# KiCad board Scopefun_v2.kicad_pcb (continued)
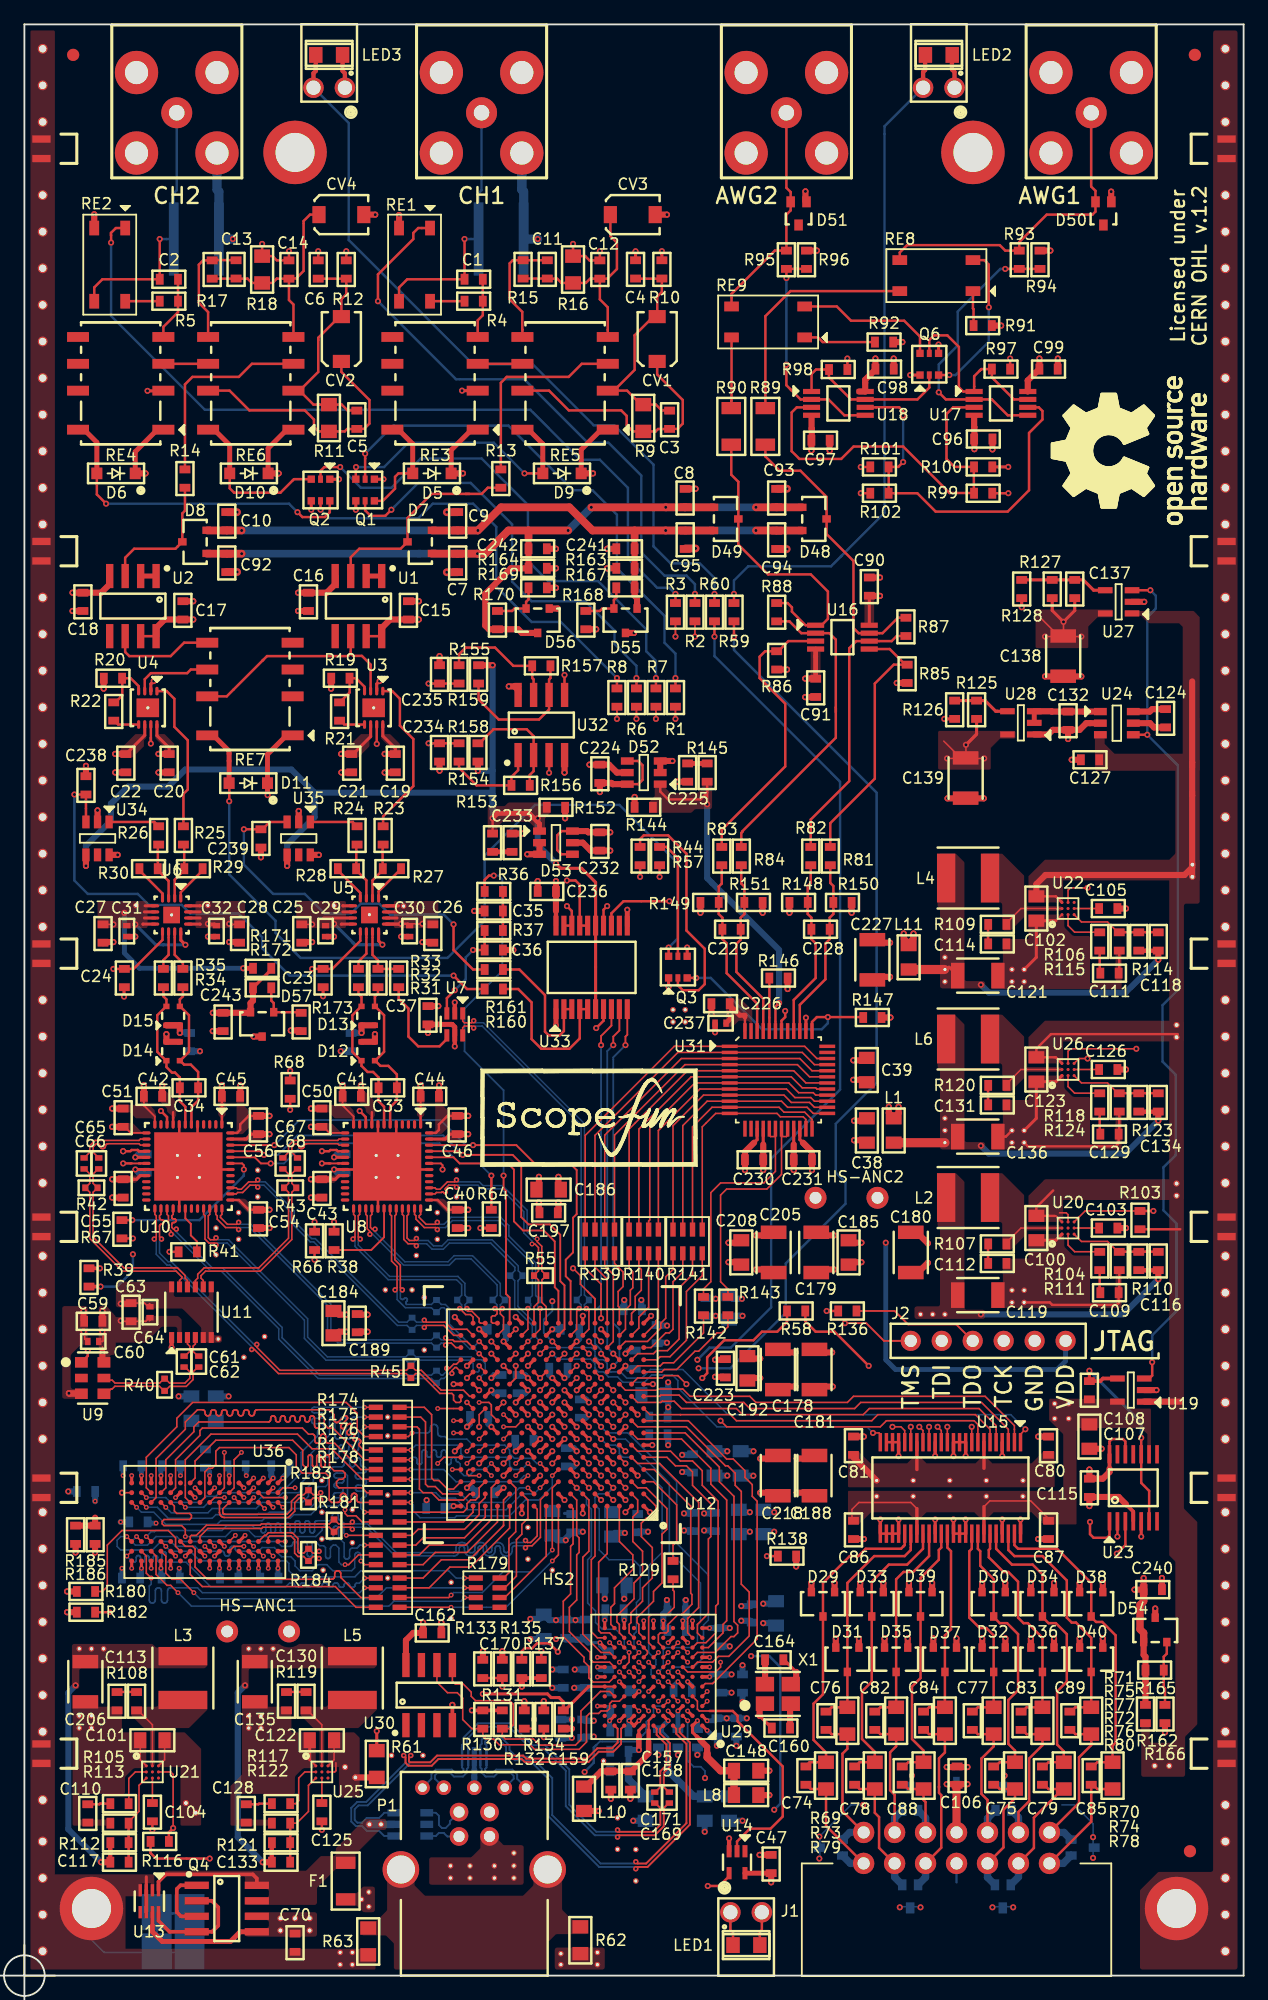
[diagram p0: board, top side]
## Nets (continued)
Net-(U30-Pad7): U30.7
Net-(U31-Pad13): U31.13
Net-(U31-Pad14): U31.14
Net-(U31-Pad35): U31.35
Net-(U31-Pad36): U31.36
Net-(U31-Pad41): U31.41
Net-(U33-Pad12): U33.12
Net-(U34-Pad5): U34.5
Net-(U35-Pad5): U35.5
Net-(U36-PadJ1): U36.J1
Net-(U36-PadJ9): U36.J9
Net-(U36-PadL1): U36.L1
Net-(U36-PadL9): U36.L9
Net-(U36-PadM7): U36.M7

Pads without a net: FID1 1; FID2 1; FID3 1; HS-ANC1 1; HS-ANC2 1; U1 5; U2 5

## Via types
v1: diameter 0.5, hole 0.25, Top to Bottom, 737 vias
v2: diameter 0.4, hole 0.2, Top to Bottom, 207 vias
v3: diameter 0.45, hole 0.2, Top to Bottom, 62 vias

## Routing (per net, layer and track width the routed paths; a pad name or vN(x,y) marks a point on that pad's centre or on a via; arc(x,y) is an arc through that point)
1.8V_REF: length 89.9
  Top w0.2: R153.1 v1(38.4,94.9)
  Top w0.25: U33.6 U33.15 46.85,89.65 45.7,90.8 44,90.8 v1(43.6,91.2)
  Top w0.4: D53.1 42.25,94.45 41.4,95.3 38.8,95.3 v1(38.4,94.9)
  Top w0.5: 5.05,92.15 v1(5.05,91) ; v1(38.4,107.45) R155.2 ; v1(37.2,98.8) R154.2 ; v1(21.55,91) U35.4
  Bottom w0.5: v1(5.05,91) 5.05,92.65 7.1,94.7 7.1,96.1 8.5,97.5 11.8,97.5 13.2,98.9 21.9,98.9 23.8,97 ; v1(42.1,94.9) 42.1,92.7 v1(43.6,91.2) ; 38.4,95.7 38.4,96.9 38.3,97 23.8,97 ; 38.4,95.7 v1(38.4,94.9) ; 38.4,95.7 38.4,98.8 ; 23.8,97 23.8,95 21.55,92.75 v1(21.55,91) ; 38.4,98.8 v1(37.2,98.8) ; 38.4,98.8 v1(38.4,107.45)
1.25V_REF: length 28
  Top w0.2: D52.1 52.15,97.1 52.8,96.45 55.45,96.45 56,97 ; 56,97 v1(56,96.05) ; 56,97 R145.1 ; v1(61.9,79.75) 61.6,79.45 U31.43
  Bottom w0.5: v1(61.9,79.75) 61.9,84.1 56,90 v1(56,96.05)
+1.48V: length 14
  Top w0.127: D15.1 11.65,78.05 ; D15.2 12.75,78.05 ; D13.1 27.65,78.05 ; D13.2 28.75,78.05
  Top w0.25: 20.25,82.5 R172.1
  Top w0.5: D15.2 v1(12.75,77.3) ; D15.2 D15.1 D15.2 ; D13.2 D13.1 v1(27.65,77.3) ; R172.1 18.75,79.95 18.55,79.75 D57.2 18.5,78.95 C243.1 ; v1(15.46,78.95) 16.15,78.95 ; R171.1 20.25,82.5
  Bottom w0.5: 26.8,77.35 26.85,77.3 v1(27.65,77.3) ; v1(12.75,77.3) 12.8,77.35 13.55,77.35
+1V0: length 37.9
  Top w0.25: U12.G6 v1(46.3,44) ; U12.J6 v1(46.3,46) ; U12.F7 v1(45.3,43) ; U12.K9 v1(43.3,48) ; U12.L8 v1(43.3,49) ; U12.F11 v1(40.3,43) ; U12.E10 v1(41.3,43) ; U12.H9 v1(43.3,46) ; U12.F9 v1(42.3,43)
  Top w0.35: 93,57.84 91.4,57.84
  Top w0.5: 93,57.84 v1(93,57.1) ; v1(60.35,42.4) 61.4,42.4 ; 61.55,42.4 C218.1 ; v1(66.3,48.3) 65.25,48.3 65,48.05 ; 61.95,48.05 62.2,48.3 v1(63.25,48.3) ; v1(60.35,49) 59.65,49 ; v1(63.35,42.4) 64.4,42.4 64.65,42.65 ; 59.5,49 C192.1 ; v1(56.65,49.1) 57.3,49.1 57.35,49.05
  Bottom w0.5: v1(59.8,43) C200.1 ; v1(45.3,43) 45.04,43.26 44.6,43.26 ; C213.1 46.05,45.75 v1(46.3,46) ; 40.25,43.8 40.3,43.75 v1(40.3,43) ; v1(53.95,42.7) 54.75,42.7 C204.1 ; C207.1 43.05,49.25 v1(43.3,49) ; v1(93,57.1) 90.12,54.22 v1(78.45,54.22) ; 56.75,43 v1(57.65,43)
+1V2: length 41
  Top w0.25: U29.E9 v2(48.8,24.1) ; U29.J11 v2(47.2,27.3) ; U29.F11 47.02,24.5 v2(47,24.48) ; U29.B10 v2(48,20.9) ; 56.1,26.1 U29.H1 v2(56.2,26.1) ; U29.L5 v2(52.4,29.1) ; U29.C3 v2(53.6,21.7) ; U29.L7 v2(50.8,29.1)
  Top w0.35: 20.29,9.3 20.29,10.9
  Top w0.5: 20.29,9.3 v1(19.55,9.3) ; L8.1 v1(61.1,14.8)
  Bottom w0.127: 43.65,27.7 43.6,27.65 ; v1(43.6,27.6) 43.7,27.7 C142.1 44.35,27.75
  Bottom w0.25: C153.1 47.62,26.6 47.2,27.02 v2(47.2,27.3) 46.4,27.3 C144.1 ; v2(48,20.9) 48,21.85 47.95,21.9
  Bottom w0.4: 48,21.7 v2(48,20.9) 48,19.95 ; v2(53.6,21.7) 53.6,20.22
  Bottom w0.45: 52.65,30 C154.1
  Bottom w0.5: 42.6,27.45 42.45,27.6 v1(41.5,27.6) ; 46.25,27.3 46,27.55 44.4,27.55 ; 52.65,28.3 52.4,28.55 v2(52.4,29.1) 52.4,29.65 52.65,29.9 ; L9.1 v1(58.9,12.7) ; v1(18.1,23.8) 17.5,23.2 17.5,11.35 v1(19.55,9.3) ; v1(52.7,30.8) 52.7,30 ; 50.99,12.7 v1(49.94,12.7) ; 42.3,27.6 42.6,27.3 ; v1(57.85,27) C145.1
+1V5: length 41
  Top w0.25: U36.B2 v2(20.4,40) ; U36.G7 v2(16.4,35.2) ; U36.H2 v2(15.6,40) ; v2(15.2,33.4) U36.H9 ; U36.F1 v2(16.8,41) ; U36.C1 v2(19.6,40.8) ; v2(18.4,33.4) U36.D9 ; U36.N9 v2(11.2,33.4) ; U36.C9 v2(19.2,33.4) ; U36.K2 v2(14,39.2) ; U36.R9 v2(9.6,33.4) ; U36.R1 v2(9.6,41) ; U36.D2 v2(18.8,40) ; U12.D7 v1(45.3,41) ; U36.K8 v2(13.2,34.4) ; v2(17.6,33.4) U36.E9 ; U36.A1 v2(21.2,40.8) ; U12.J2 v1(50.3,46) ; U12.B3 v1(49.3,39) ; U36.A8 v2(21.4,34.8) ; U12.E4 v1(48.3,42) ; U12.F1 v1(51.5,43.5) ; v1(45.8,37.9) U12.A6 ; U36.N1 v2(11.2,41)
  Top w0.35: 7.04,9.3 7.04,10.9
  Top w0.5: 7.04,9.3 v1(6.3,9.3) ; 5.8,35.3 v1(5.8,34.7)
  Bottom w0.25: 45.1,37.86 45.06,37.9 44.3,37.9
  Bottom w0.4: v2(11.2,33.4) 11.2,32.75 11.25,32.7 ; v2(11.2,41) 11.2,41.7 C248.1 ; C247.1 16.8,41.65 v2(16.8,41) ; v2(9.6,41) C249.1 ; 19.35,32.7 19.2,32.85 v2(19.2,33.4) ; v2(9.6,33.4) 9.6,32.8 9.5,32.7 ; v2(17.6,33.4) 17.6,32.65
  Bottom w0.5: C246.1 21.75,41.35 v2(21.2,40.8) ; v1(4.2,23.8) 3.6,23.2 3.6,12 v1(6.3,9.3)
+1V8: length 140.9
  Top w0.127: U29.H4 v2(53.6,26.5)
  Top w0.15: U12.M11 v1(41.3,49) ; U12.M10 v1(42.3,49) U12.M9
  Top w0.2: U10.37 17.6,63.6 18.4,62.8 C54.1 ; 9,65.3 C55.1 ; 37.72,25.9 R133.1 ; C40.1 34.7,62.8 33.9,63.6 U8.37 ; R66.2 v1(23.8,61.8) ; v1(8.9,60.45) R67.2
  Top w0.25: U10.20 9.5,65.6 9.2,65.3 8.74,65.3 ; U12.L10 v1(41.3,49) ; U8.20 25.8,65.6 25.5,65.3 25.04,65.3 ; U12.K11 v1(40.3,47) ; U12.M13 v1(38.3,49) ; U12.B13 v1(39.3,40) ; U12.H15 v1(36.3,45) ; U12.N10 v1(41.3,50) ; v2(47,26.11) 47,26.1 U29.H11 ; U29.C11 v2(47,22.1) ; U29.E3 v2(53.6,24.1) ; U29.B1 v2(56,20.9) ; U12.G10 v1(41.3,45) ; U12.L16 v1(35.2,48.5) ; U12.P7 v1(45.3,52) ; U12.L6 v1(45.3,48) ; U12.A16 v1(35.2,38.5) ; v2(56.2,24.5) U29.F1 56.1,24.5 ; U12.C10 v1(42.3,41) ; U29.L9 v2(49.2,29.15) ; U12.J12 v1(40.3,46) ; U12.R14 v1(37.3,53) ; U12.J10 v1(42.3,46) ; U12.E14 v1(37.3,42) ; R64.1 v1(37.4,61.3) ; U12.T11 v1(40.3,54) ; U12.G8 v1(43.3,45)
  Top w0.28: U15.18 73.2,41.5 ; U15.7 78.7,41.6
  Top w0.3: 5.35,56.5 v1(6.25,56.5) ; R137.1 R135.1 ; R131.1 R130.1 v1(36.7,21.75)
  Top w0.35: 91.4,70.84 93,70.84
  Top w0.5: v1(66.4,60.7) 65.35,60.7 65.1,60.95 ; v1(68.65,60.1) 67.95,60.1 67.75,60.3 ; v1(7.2,65.3) C55.1 8.74,65.3 ; C40.1 v1(36.4,62.8) ; VIA#99.1 68,42.5 C81.1 ; 25.04,65.3 C43.1 v1(23.5,65.3) ; 73.25,60.9 v1(74.1,60.05) ; v1(40.8,23.7) R135.1 ; 93,70.84 v1(93,70.1) ; v1(47.1,13.5) L10.1 ; v1(43.8,65.5) 43.8,64.8 ; v1(26.4,54.2) 25.8,54.2 25.5,54.5 ; C54.1 v1(20.1,62.8) ; 37.61,25.9 37.61,26.59 ; 32.7,28.35 v1(32.7,28.95) ; L1.1 71.45,68.3 ; 43.8,64.65 C186.1 ; U30.8 31.3,27.5 31.9,28.1 C162.1 ; v1(28.15,54.2) 27.5,54.2 27.45,54.25 ; v1(63.3,33.55) R138.1 ; v1(43.8,63.4) 43.8,62.7 ; C180.1 73.15,60.95
  Top w0.75: L1.1 VIA#110.1
  Bottom w0.2: v1(6.25,56.5) 7.6,56.5 8.9,57.8 v1(8.9,59.15)
  Bottom w0.25: 57,24.5 C167.1
  Bottom w0.4: v1(70.65,60.1) 70.65,50.5 71.45,49.7 84.7,49.7 85.4,50.4 J2.6 ; v2(53.6,24.1) 53.25,23.75 C172.1 ; v2(56,20.9) 56.6,20.9 C174.1
  Bottom w0.45: v2(56.2,24.5) 56.4,24.7 C167.1
  Bottom w0.5: C199.1 45.5,52.2 v1(45.3,52) ; v2(49.2,29.15) 49.2,29.95 C161.1 ; v1(41.3,49) 41.05,49.25 C202.1 ; C182.1 49.2,31.8 v1(49.2,30.9) ; v1(43.3,25.1) C163.1 ; C168.1 59.55,29.1 v1(58.8,29.1) ; 45.9,21 46,20.9 v1(46.7,20.9) ; 38.6,39.6 39,40 v1(39.3,40) ; v1(78.45,68.05) 79.1,67.4 90.3,67.4 v1(93,70.1) ; v1(35.2,38.5) 34.8,38.5 34.6,38.3 ; v1(59.25,21.1) C173.1 v1(57.6,21.1) C174.1 ; v1(59.5,38) 58.8,38 ; C175.1 v1(44.9,21) ; v1(36.3,45) 36.55,45.25 36.55,45.7 ; 56.45,37.95 56.4,37.9 v1(55.75,37.9) ; C167.1 v1(58,24.7) ; C191.1 38.55,49.25 v1(38.3,49) ; C183.1 60.8,38 v1(61.5,38) ; v1(37.3,53) 37.75,53 37.85,52.9 ; v1(58.9,25.45) C166.1 ; 49.2,29.85 49.15,29.9 ; 54.8,37.9 v1(54.1,37.9) ; C177.1 61.45,28.9 v1(60.6,28.9) ; C165.1 v1(45.14,25.1)
  vias: v1(37.6,26.6)
+1V8_VA: length 31.3
  Top w0.15: C51.1 8.23,69.6 8.73,69.1 U10.13 ; 32.5,70.8 C44.1 ; U8.13 25.03,69.1 24.53,69.6 C50.1
  Top w0.2: 12.2,70.8 U10.9 ; 28.5,70.8 U8.9 ; U10.1 C45.1 ; U8.1 32.5,70.8
  Top w0.25: C56.1 18.61,69 18.21,68.6 U10.47 ; U10.17 v1(9.1,67.1) ; U8.17 v1(25.4,67.1) ; U8.47 34.51,68.6 34.91,69 C46.1
  Top w0.5: v1(68.05,70.1) 68.75,70.1 ; 69.05,70.1 69.25,70.3 ; C45.1 v1(16.2,73) ; C56.1 v1(20.1,69) ; v1(11.3,73) C42.1 11.3,71.97 ; C51.1 v1(7.2,69.6) ; C39.1 68.89,73.45 v1(67.99,73.45) ; v1(71.7,71.25) 71.7,70.75 71.3,70.35 70.9,70.75 v1(70.9,71.25) ; C46.1 v1(36.4,69) ; 27.6,71.97 C41.1 v1(27.6,73) ; C44.1 v1(32.5,73) ; C50.1 v1(23.5,69.6)
  Bottom w0.5: v1(9.1,67.1) 9.35,67.35 C57.1 ; C49.1 25.65,67.35 v1(25.4,67.1)
+2.88V: length 64.5
  Top w0.127: 61.7,118.5 61.65,118.55
  Top w0.5: 50.05,117.89 C241.1 R163.1 R167.1 50.05,113.16 50.25,112.96 D55.1
  Top w0.635: v1(17.82,118.5) 16.62,118.5 ; v1(37.2,118.5) 39.1,120.4 44.7,120.4 46.6,118.5 50.05,118.5 ; 33.46,118.5 37.16,118.5 ; 16.6,118.5 15.01,118.5 ; 50.05,118.5 v1(52.6,118.5) 56.5,118.5 ; 50.05,118.5 50.05,117.89 ; v1(60,118.5) 61.7,118.5 ; D48.2 61.7,118.5
  Bottom w0.635: v1(52.6,118.5) v1(60,118.5) ; v1(17.82,118.5) v1(37.2,118.5)
+3.3V_PD: length 19.3
  Top w0.2: 91.85,24.95 R165.1
  Top w0.5: D54.1 91.8,26.3 91.95,26.15 R165.1 91.95,24.1 ; v1(82.55,27.65) 82.55,27.05 ; v1(91.05,31.65) C240.1 v1(91.8,32.6) ; v1(78.56,27.65) 78.56,27.06 78.55,27.05 ; 91.95,24.1 R162.1 ; 91.95,24.1 91.95,23.65 ; v1(70.55,27.65) 70.55,27.05 ; v1(74.55,27.65) 74.55,27.05 ; v1(86.55,27.65) 86.55,27.05 ; v1(68.55,32.2) 68.55,31.6 ; v1(72.55,32.2) 72.55,31.6 ; v1(66.55,27.65) 66.55,27.05 ; v1(78.55,32.2) 78.55,31.6 ; v1(86.55,32.2) 86.55,31.6 ; v1(82.55,32.2) 82.55,31.6 ; v1(64.55,32.2) 64.55,31.6
  Top w0.6: C240.1 91.8,30.7 91.5,30.4 91.5,28.4 91.8,28.1 D54.1
+3V3: length 55.3
  Top w0.13: 6.4,51 6.4,51.56 ; v1(7.9,53.7) 7.95,53.65 C63.1 9.95,53.65 10.25,53.95 C64.1 10.3,53.75 10.25,53.7 ; v1(6.4,52.8) 6.45,52.75 6.45,52.05 6.41,52 6.05,52
  Top w0.2: U23.12 90.3,43.8 90.1,44 89.2,44 89,43.8 U23.14
  Top w0.25: 75.85,82.7 C121.1 ; U12.M3 v1(49.3,50) ; U12.T1 v1(51.4,54.1) ; U12.R4 v1(47.3,53)
  Top w0.3: 88.45,40.75 87.6,40.75 ; 89,42.1 U23.14 89,41.55
  Top w0.35: 91.4,84.04 93,84.04 ; 35.3,77 v1(35.3,76.2)
  Top w0.4: 34,78 35.08,78 ; U7.5 35.3,77.78 35.08,78 ; 35.08,78 34.9,78 ; U14.5 C47.1
  Top w0.45: C37.2 34,78
  Top w0.5: 93,84.04 v1(93,83.3) ; 89,41.55 89,41.3 88.45,40.75 C115.1 v1(87.35,41.5) ; v1(57.75,58.5) 58.45,58.5 58.65,58.3 ; v1(6.4,51.1) 6.4,50.41 6.52,50.29 ; 61.3,57.65 61.05,57.9 v1(60,57.9) ; C47.1 v1(61.25,7.65) ; v1(6.4,54.5) 6.4,53.8 ; 33.1,77.9 v1(33.1,77.3)
  Top w0.75: L11.2 75.47,82.5
  Bottom w0.5: v1(93,83.3) 90.3,80.6 79.1,80.6 v1(78.45,81.25) ; 58.15,54.1 v1(58.9,54.1) 58.1,54.1 C211.1 ; C219.1 49.55,49.75 v1(49.3,50) ; v1(50.6,55.4) 50.6,54.75 50.65,54.7 ; 56,54.05 56.05,54.1 v1(56.7,54.1) ; 52,53.35 52.05,53.3 v1(52.72,53.3) ; 58.85,54.1 58.25,54.1
+3V3_VA: length 25.4
  Top w0.127: U31.42 62.1,77.9
  Top w0.2: v1(46.9,77.7) 47.5,78.3 U33.7 ; v1(57.9,78.85) 57.9,79.65 ; v1(62.4,79.1) 62.4,78.6 62.1,78.3 62.1,77.9 ; v1(47.8,87.7) 47.5,87.4 U33.14 ; U31.48 59.1,78.6
  Top w0.25: 63.9,68.25 63.6,68.55 U31.22 ; 60.6,68.15 U31.16
  Top w0.35: 43.6,87.3 U33.20
  Top w0.4: C237.1 57.9,78.45 v1(57.9,78.85) ; C226.1 57.85,79.57 58.67,78.75 59.1,78.75 59.1,78.6
  Top w0.5: v1(72.12,85.45) 72.12,85.05 72.53,84.65 72.92,85.05 v1(72.92,85.45) ; v1(71,84.7) 69.95,84.7 69.7,84.95 ; 64.6,66.75 v1(64.6,66.05) ; C236.1 43.6,87.3 ; 60.6,66.75 v1(60.6,66.05) ; C230.1 60.6,68.15 ; 70.43,78.57 v1(71.03,78.57) ; 43.6,89.05 v1(43.6,89.75) ; 64.6,67.55 63.85,68.3 ; 64.6,67.55 63.9,68.25 ; 64.6,67.55 C231.1
+VCC_DIG: length 26.7
  Top w0.127: 84.02,37.28 83.89,37.28 ; 73.2,38.3 72.7,38.8 68.45,38.8 67.88,38.23 67.88,37.08 ; 84.39,37.08 82.54,38.93 79.18,38.93 78.7,38.45
  Top w0.2: 76.45,15.6 C106.1
  Top w0.28: 73.2,38.3 U15.31 ; U15.42 78.7,38.45
  Top w0.5: v1(77.35,15.7) 76.7,15.7 ; v1(75.65,15.7) 76.3,15.7
  Top w0.653: J1.7 76.45,15.4
  Bottom w0.5: 76.45,13.53 76.45,11.74
  Bottom w0.6: D41.1 76.45,13.63 J1.7
+VCC_USB_P: length 87.2
  Top w0.127: C101.1 11.5,17.7 U21.A3 ; 25.55,17.45 25.55,16.8 25.45,16.7 U25.B3 ; 84.5,62.3 84.6,62.3 U20.A3 ; U20.B3 85.6,62.4 85.45,62.55 84.9,62.55 ; U25.A3 25.4,17.7 C122.1
  Top w0.2: 94.6,77.2 84.2,77.2 83,76 C123.1 84.6,75.3 U26.A3 ; R116.1 10.35,10.05 10.8,9.6 v1(15.2,9.6) ; C102.1 84.6,88.5 U22.A3 ; 84.38,64.38 83,63 C100.1 84.5,62.3 ; R103.1 94.8,61.2 ; 91.85,20.7 91.72,20.7
  Top w0.3: U13.7 10.5,4.1
  Top w0.4: Q4.5 17.7,3.59 16.91,2.8 11.3,2.8 10.5,3.6 10.5,4.1 ; Q4.5 18.34,3.59 18.34,3.6 ; Q4.5 18.49,3.59
  Top w0.5: 95.78,90.2 95.78,96.75 ; 95.78,96.75 95.78,97.07 ; 95.78,96.75 95.78,99.5 ; 95.78,91.2 95.78,90.88 95.15,90.25 83.75,90.25 83,89.5 C102.1 ; 95.78,106.12 95.78,99.5 ; 95.78,99.5 95.78,99.07 ; U19.1 94.86,47.06 ; 28.75,16.25 VIA#145.1
-2.88V: length 72.8
  Top w0.127: 61.7,120.4 61.7,120.4 ; 54.19,120.4 54.19,120.4 ; 63.79,120.4 D48.1
  Top w0.165: 14.97,116.6 D8.1
  Top w0.5: 41.35,117.89 C242.2 R164.1 39.9,115.4 37.8,113.3 37.8,110.7 38.1,110.4 R170.2 40.5,110.4 40.8,110.1 D56.3
  Top w0.635: 16.6,116.6 14.97,116.6 ; 33.42,116.6 35.52,116.6 ; 41.35,118.5 v1(44.6,118.5) ; 41.35,118.5 39.7,118.5 37.8,116.6 v1(37.16,116.6) 35.54,116.6 ; 41.35,118.5 41.35,117.89 ; v1(60,120.4) 63.79,120.4 ; v1(17.82,116.6) 16.62,116.6 ; 54.19,120.4 v1(52.6,120.4) v1(46.5,120.4) ; D49.1 54.19,120.4
  Bottom w0.635: v1(37.16,116.6) v1(17.82,116.6) ; v1(52.6,120.4) v1(60,120.4) ; v1(46.5,120.4) v1(44.6,118.5)
-5V: length 7
  Top w0.127: U28.3 83.38,103.68
  Top w0.4: U28.3 U28.2
  Top w0.5: 85.57,103.68 C132.1 ; C132.1 U24.1 ; C132.1 84.27,103.65 84.25,103.68 U28.3
/USB Port/+VCC_USB_F: length 11.7
  Top w0.3: Q4.8 19.06,7.97 18.73,8.3 11.6,8.3 11,7.7 U13.1
  Bottom w0.6: D16.5 VIA#196.1
  Bottom w0.65: VIA#196.1 VIA#197.1
GND: length 499.7
  Top w0.127: D14.4 11.68,76.58 ; D12.3 28.73,76.58 ; U22.A1 84.6,86.5 ; U23.4 90.95,36.65 ; C101.2 9.5,17.7 U21.A1 ; U25.A1 23.4,17.7 ; D12.4 27.67,76.58 ; U23.5 91.6,36.6
  Top w0.13: 10.25,55.1 10.3,55.05 C64.2 10.15,54.85 9.85,55.15 C63.2 ; v1(4.85,52.8) 4.95,52.7 4.95,52.2 5.15,52
  Top w0.15: C41.2 26.1,71.35 27,70.45 U8.12 ; U10.12 10.7,70.45 9.8,71.35 C42.2
  Top w0.2: C56.2 18.4,70.5 17.7,69.8 17.7,69.35 17.45,69.1 U10.48 ; U10.19 11.42,66.1 ; U15.39 U15.38 U15.37 ; U8.29 29,63.82 U8.EP ; 20.68,140.67 20.35,141 R18.2 v1(19.5,142) ; R124.2 89.8,69.05 C129.2 89.75,68.36 89.7,68.31 89.7,68.2 89.5,68 82.3,68 VIA#125.1 ; U15.28 U15.27 U15.26 U15.25 ; U8.EP 31.78,66.1 U8.42 ; R68.2 v1(21.8,74.2) ; R12.2 v1(26.4,141.4) ; U8.19 27.72,66.1 ; U15.21 U15.22 U15.23 ; U10.8 12.7,68.88 U10.EP 14.2,68.88 U10.5 ; U8.5 30.5,68.88 U8.EP 29,68.88 U8.8 ; R38.2 v1(25.4,61.8) ; 20.7,140.65 C14.2 v1(21.7,141.4) ; v1(45,142) R16.2 46,141 46.35,140.65 C12.2 v1(47.2,141.4) ; 54.36,84.3 v1(54.36,84.3) ; LED1.1 58.12,3.53 57.91,3.74 SLP1.1 ; R101.1 69.37,123.71 v1(68.6,123.71) ; 89.19,145.49 D50.1 ; U15.10 U15.11 U15.12 ; U10.42 15.48,66.1 ; C6.2 v1(24.1,141.4) ; C125.2 v1(24.4,11.95) ; R41.2 v1(11.9,59.35) ; VIA#121.1 84.1,55.2 84.3,55 89.6,55 89.8,55.2 89.8,55.31 89.75,55.36 C109.2 89.8,56.05 R111.2 ; C104.2 v1(10.5,11.95) ; v1(51.55,48.5) U12.L1 ; R115.2 89.8,82.25 C111.2 ; U10.29 12.7,63.82 ; C46.2 34.7,70.5 34,69.8 34,69.35 33.75,69.1 U8.48 ; C136.2 80.5,68.8 VIA#127.1 ; 71.3,131.74 C98.2
  Top w0.25: 84.6,86.5 C102.2 83,83.5 VIA#131.1 ; C100.2 84.6,60.3 U20.A1 ; 77.09,96.55 77.1,96.54 77.11,96.55 ; U10.19 v1(9.1,66.1) ; 52.29,140.67 52.29,141.37 ; U36.G1 v2(16,41) ; U12.P12 v1(39.3,52) ; 23.53,120.84 v1(23.53,120.2) ; U36.P1 v2(10.4,41) ; U36.E1 v2(18,40) ; U36.L2 v2(12.4,39.2) ; U29.K3 v2(54.4,27.3) ; 27.18,120.84 v1(27.18,120.2) ; 12.7,63.82 U10.EP ; U29.B7 v2(50.4,20.9) U29.A8 v2(49.6,20.9) U29.B8 ; 69.36,123.71 69.37,123.72 ; U36.E8 v2(18,34.4) ; U29.G11 v2(47,25.3) ; 85.11,106.55 85.1,106.54 85.09,106.55 ; R126.2 v1(75.45,103.05) ; Q6.4 v1(74.98,133.75) ; U12.B8 v1(44.3,39) ; U12.T6 v1(45.8,54.1) ; U29.K4 v2(52.8,27.3) ; 8.17,80.9 v1(8.17,80.28) ; Q3.1 52.84,81.07 v1(52.84,81.07) ; U36.B1 v2(20.4,40.8) ; RE3.2 v1(35.9,129.97) ; v1(10.61,106.15) 10.37,105.92 U4.2 10.37,105.49 ; v2(16.8,33.4) U36.F9 ; v1(10.1,129.95) 11.38,129.95 RE4.2 ; U36.M9 v2(12,33.4) ; U12.F10 v1(42.3,44) ; U36.J8 v2(14.8,34.4) ; U3.2 28.9,105.92 v1(29.13,106.15) ; U12.F6 v1(46.3,43) ; 50.13,140.67 50.13,141.37 ; U29.L11 v2(47.6,29.15) ; U12.K6 v1(46.3,47) ; U8.19 v1(25.4,66.1) ; 11.42,66.1 U10.EP ; U12.J11 v1(41.3,46) ; 15.48,66.1 U10.EP ; U29.E6 v2(51.2,23.3) ; 56.1,25.3 U29.G1 v2(56.2,25.3) ; 74.7,36.86 U15.34 v1(74.7,37.4) ; U36.G8 v2(15.6,34.4) ; U12.E9 v1(43.3,43) ; 19.87,140.67 19.52,141.02 ; U12.H8 v1(44.3,45) ; U12.E7 v1(45.3,42) ; U12.H6 v1(46.3,45) ; U12.G9 v1(43.3,44) ; 35.8,43.5 v1(35.3,43) ; U12.K7 v1(44.3,48) ; U12.D12 v1(39.3,41) ; U36.D3 v2(18.8,39.2) ; U12.K8 v1(43.3,47) ; U29.L1 v2(56.2,28.5) ; U13.3 10,8.1 ; U12.G3 v1(49.3,45) ; 28.81,122.71 v1(29.45,122.71) ; 60.75,23.91 X1.4 ; U36.T9 v2(8.8,33.4) ; U31.21 63.1,68.15 ; U31.15 60.1,68.55 59.85,68.3 ; U23.5 v1(91.6,36) ; U12.C15 v1(36.3,40) ; U29.A1 v2(56,20.1) ; Q6.1 v1(72.66,131.25) ; U12.L11 v1(41.3,48) ; U36.M1 v2(12,41) ; U29.E2 v2(54.4,24.1) ; U12.D2 v1(50.3,41) ; 24.5,80.95 v1(24.5,80.3) ; U29.B4 v2(52.8,21.7) ; U29.D8 v2(50.4,23.3) ; U12.H7 v1(45.3,45) ; U36.P9 v2(10.4,33.4) ; U29.L2 v2(54.8,29.1) ; R128.2 v1(81.8,112.2) ; U29.B2 v2(54.4,21.7) ; U12.P2 v1(49.3,51) ; U36.T1 v2(8.8,41) ; U12.J9 v1(42.3,47) ; U12.N15 v1(36.3,50) ; 23.4,17.7 C122.2 ; 27.72,66.1 U8.EP ; 25.16,122.7 v1(25.8,122.7) ; U12.G13 v1(38.3,45) ; U36.E2 v2(18,39.2) ; U36.E7 v2(18.1,36.1) ; U36.J2 v2(14,40) ; U36.A9 v2(20.8,33.4) ; U29.L3 v2(54,29.1) ; U12.K14 v1(38.3,48) ; U36.D1 v2(18.8,40.8) ; U26.A1 84.6,73.3 C123.2 83,70.3 VIA#126.1 ; Q3.4 54.36,84.3 ; U12.A1 v1(51.3,38) ; U12.J7 v1(44.3,47) ; v2(16,33.4) U36.G9 ; U12.G7 v1(45.3,44) ; U12.K4 v1(47.3,47) ; U36.B3 v2(20.4,38.4) ; v1(35.3,54) U12.T16 ; U29.B9 v2(48.8,20.9) ; 79.4,123.72 v1(80.7,123.72) ; 54.36,84.26 54.36,84.26 ; U12.R9 v1(43.3,53) ; U12.C5 v1(47.3,40) ; U36.D8 v2(18.8,34.4) ; v1(40.8,37.9) U12.A11 ; U36.B9 v2(20,33.4) ; U12.M8 v1(44.3,49) ; U12.N5 v1(47.3,50) ; U12.J8 v1(44.3,46) ; U12.F8 v1(44.3,44) ; U29.L6 v2(51.6,29.1) ; 64.1,77.6 v1(64.1,78.55)
  Top w0.28: U15.12 v1(76.2,42.6) ; U15.37 76.2,37.4 ; U15.15 74.7,42.6 v1(74.7,42.6) ; U15.21 71.7,42.6 v1(71.7,42.6) ; v1(71.7,37.4) 71.7,37.4 U15.28 ; U15.4 v1(80.2,42.6) ; v1(80.2,37.4) 80.2,37.4 U15.45 ; U15.48 81.7,37.4 v1(81.7,37.4) ; U15.39 77.2,37.4 v1(77.2,37.4) ; U15.25 70.2,37.4 v1(70.2,37.4) ; U15.10 v1(77.2,42.6)
  Top w0.3: 35.1,20.53 35.1,22.19 ; 90.35,38.65 90.95,38.05 U23.4 ; U13.6 U13.3
  Top w0.35: 76.29,154.91 76.29,156.09 76.08,156.31 76.08,157.58 ; U14.3 v1(57.8,11.25) ; 12.08,52.29 v1(12.08,51.5) ; SLP3.1 26.29,155.99 26.1,156.18 LED3.1 ; 35.3,79 v1(35.3,79.8) ; 60.8,23.96 X1.4
  Top w0.4: U33.1 v1(43.6,77.9) ; U33.11 v1(49.45,87.4)
  Top w0.45: v1(9.1,85.2) 8.5,85.2 ; v1(25.4,85.2) 24.8,85.2 ; v1(30.9,85.2) 31.5,85.2 ; C237.2 v1(56.65,77.35) ; v1(15.05,85.2) 15.65,85.2
  Top w0.5: 89.81,87.5 v1(90.35,87.5) ; 89.81,61.3 v1(90.35,61.3) ; v1(60.35,39.6) 61.4,39.6 ; 61.55,39.6 C218.2 ; 64.95,51.35 65.2,51.1 v1(66.25,51.1) ; v1(16.8,84.75) 17.4,84.75 17.5,84.65 ; 69.05,68.5 69.25,68.3 ; v1(68.05,68.5) 68.75,68.5 ; v1(92.75,30.1) 92.75,29.5 ; v1(66.4,57.9) 65.35,57.9 65.1,57.65 ; 77.23,96.53 v1(78.69,96.53) ; 77.18,96.53 v1(75.72,96.53) ; v1(68.65,58.5) 67.95,58.5 67.75,58.3 ; 69.7,81.65 69.95,81.9 v1(71,81.9) ; 51.96,144.4 v1(52.7,144.4) ; v1(7.3,84.75) 6.7,84.75 ; 6.55,84.75 6.45,84.65 ; v1(11.65,77.2) D14.4 D14.3 ; 33.35,84.65 33.25,84.75 v1(32.65,84.75) ; v1(46.35,99.3) C224.2 47.95,99.3 48.6,98.65 D52.5 ; v1(53.15,99.6) D52.3 D52.2 ; 50.05,95.75 v1(50.05,96.65) ; v1(53.5,97.9) C225.2 ; 89.14,145.44 v1(89.14,146.29) ; 17.71,72.1 v1(17.71,73) ; C56.2 v1(20.1,70.5) ; C42.2 v1(9.8,73) ; C51.2 v1(7.2,71.1) ; C55.2 v1(7.2,63.8) ; 8,55.1 8.65,55.1 ; v1(48.05,92.25) C232.2 46.45,92.25 45.8,92.9 D53.5 ; 28.04,144.4 v1(28.77,144.4) ; 64.65,39.35 64.4,39.6 v1(63.35,39.6) ; C180.2 73.25,57.65 ; C234.2 v1(34.05,98.8) ; v1(77.35,17.1) 76.7,17.1 ; C47.2 v1(60.3,9.9) ; v1(42.2,65.5) 42.2,64.8 ; 34.2,28.37 v1(34.2,28.95) ; R168.2 v1(46.9,110.4) ; 42.95,117 v1(43.6,117) ; U24.2 87.09,102.7 86.54,102.15 C132.2 ; v1(84.45,32.2) 84.45,31.6 ; RE2.2 v1(5.73,144.43) ; v1(68.85,44.2) 68,44.2 C81.2 ; v1(63.25,51.1) 62.2,51.1 61.95,51.35 ; 64.9,104.84 v1(64.04,104.84) ; 11.89,98.66 v1(11,98.66) ; 57.35,50.55 57.3,50.5 v1(56.65,50.5) ; C158.2 v1(48.1,14.5) ; C46.2 v1(36.4,70.5) ; 80.45,27.05 80.46,27.06 v1(80.46,27.65) ; 25.16,106.24 v1(25.16,105.53) ; 59.85,68.3 59.1,67.55 C230.2 ; 42.95,113.8 v1(43.6,113.8) ; C35.2 v1(36.9,87.3) ; RE1.2 v1(30.73,144.37) ; v1(70.45,32.2) 70.45,31.6 ; v1(26.4,52.8) 25.8,52.8 25.5,52.5 ; D55.3 v1(50,110.1) ; v1(28.15,52.8) 27.5,52.8 27.45,52.75 ; R152.2 v1(44.35,94.9) ; v1(15.45,77.45) 16.15,77.45 ; 60.75,23.91 v1(60.75,24.9) C164.2 ; 19.4,77 v1(18.8,77) ; C127.2 v1(85.9,99.7) ; v1(65,141.45) R96.2 ; v1(71.3,132.6) 71.3,131.74 ; 54.22,121.92 v1(55.05,121.92) ; 89.81,74.3 v1(90.35,74.3) ; v1(68.45,27.65) 68.45,27.05 ; 26.89,98.66 v1(26,98.66) ; 73.35,57.7 v1(74.1,58.45) ; C231.2 63.1,68.15 ; 67.85,87.85 v1(67.85,87.15) ; C235.2 v1(34.05,108.2) ; 56.35,79.55 v1(56.35,78.85) ; v1(68.85,35.8) C86.2 ; 42.1,89.05 v1(42.1,89.75) ; 62.9,22.26 X1.2 62.8,22.24 v1(62.8,21.3) C160.2 ; v1(66.45,32.2) 66.45,31.6 ; 55.45,87.85 v1(55.45,87.15) ; v1(21.85,77.5) 22.5,77.5 ; R134.2 v1(42.6,22.5) ; 4.2,35.3 v1(4.2,34.7) ; C54.2 v1(20.1,61.3) ; v1(67.99,75.05) 68.89,75.05 C39.2 ; 35.1,20 35.1,20.53 35.1,20.53 ; 4.65,111.9 v1(3.95,111.9) ; C50.2 v1(23.5,71.1) ; 59.1,66.75 v1(59.1,66.05) ; C132.2 84.35,102.15 83.98,101.78 U28.1 ; C132.2 v1(85.6,101.4) ; v1(41.25,91.95) D53.3 D53.2 ; v1(23.6,84.75) 22.85,84.75 ; 43.1,112.1 v1(43.75,112.1) ; 61.3,60.95 61.05,60.7 v1(60,60.7) ; 63.1,66.75 v1(63.1,66.05) ; v1(60.35,50.6) 59.65,50.6 ; v1(80.45,32.2) 80.45,31.6 ; v1(40.9,93.65) C233.2 ; R182.2 v1(3.5,29.8) ; R132.2 v1(41,22.5) ; C239.2 v1(19.4,91.7) ; D12.4 D12.3 v1(28.75,77.2) ; v1(88.45,32.2) 88.45,31.6 ; 58.65,60.3 58.45,60.1 v1(57.75,60.1) ; 42.2,64.65 C186.2 ; 30.46,98.65 v1(29.55,98.65) ; R146.1 v1(62.6,80.9) ; 62.75,87.85 v1(62.75,87.15) ; 13.15,112.7 v1(13.85,112.7) ; 49.65,15.2 C157.2 v1(49.7,14.5) ; 4.85,53.8 v1(4.85,54.5) ; U27.2 v1(91.85,112.65) ; 72.25,106 v1(71.55,106) ; 60.55,87.85 v1(60.55,87.15) ; 35.1,22.19 v1(35.1,22.2) ; 4.43,47.75 v1(3.65,47.75) 3.69,47.71 U9.3 ; 64.06,145.46 v1(64.06,146.31) ; C159.2 v1(44.9,20.25) ; v1(42.2,63.4) 42.2,62.7 ; 31.65,112.7 v1(32.35,112.7) ; v1(87.35,38.5) C115.2 89.75,39.25 90.35,38.65 ; 85.23,106.53 v1(86.69,106.53) ; 33.25,79.5 v1(33.95,79.5) ; R94.2 v1(84.15,141.45) ; v1(61.1,16.8) C148.2 ; 6.5,106.24 v1(6.5,105.53) ; C240.2 v1(93.3,32.6) ; v1(72.45,27.65) 72.45,27.05 ; 8.34,98.66 v1(7.45,98.66) ; 87.45,43.2 v1(88.35,43.2) ; v1(83.15,35.8) C87.2 ; 48.45,117 v1(47.8,117) ; C43.2 v1(23.5,63.8) ; C36.2 v1(40.1,84.1) ; v1(75.65,17.1) 76.3,17.1 ; v1(83.15,44.2) C80.2 ; C40.2 v1(36.4,61.3) ; v1(62.55,107.1) 61.85,107.1 ; v1(84.76,132.6) 84.76,131.85 ; 59.5,50.6 C192.2 ; C170.2 v1(39.2,26.6) ; 34.01,72.1 v1(34.01,73) ; C96.2 v1(79.4,125.15) ; 69.41,114.64 v1(70.18,114.64) ; v1(76.45,27.65) 76.45,27.05 ; v1(84.45,27.65) 84.45,27.05 ; 85.18,106.53 v1(83.72,106.53) ; v1(74.45,32.2) 74.45,31.6 ; 5.05,98.45 v1(5.05,99.2) ; C41.2 v1(26.1,73) ; v1(93.55,19.95) 93.55,20.65 ; v1(92.85,48.01) U19.2 ; 23.15,111.9 v1(22.45,111.9) ; 60.7,23.94 X1.4 ; 22.65,77.5 R173.2 ; v1(88.45,27.65) 88.45,27.05 ; C97.2 v1(66.05,125.05) ; R180.2 v1(3.5,31.5)
  Top w0.635: 35.54,115.08 v1(34.65,115.08) ; 16.62,120 17.44,120 ; 54.22,117.03 v1(55.05,117.03) ; 16.58,115.1 v1(17.45,115.1) ; 61.7,116.98 62.52,116.98 ; 35.54,120 v1(34.65,120) ; 61.73,121.92 v1(62.55,121.92)
  Bottom w0.127: v1(65.2,9.6) 65.25,9.65 65.25,11.35 v1(65.2,11.4) 67.8,14 v1(68.8,14) ; 80.3,15.35 80.4,15.45 v1(80.4,16.4) ; 87.7,9.6 v1(87.65,9.65) v1(87.65,11.35) ; 81.05,5.65 79.45,5.65 ; 81.05,5.65 v1(81.1,5.6) ; 81.05,5.65 81.1,5.7 ; v1(87.65,11.35) 87.65,12.45 86.1,14 85.1,14 ; v1(87.65,11.35) 87.7,11.4 ; v1(72.8,16.4) 72.8,15.5 72.65,15.35 ; 79.45,5.65 v1(79.4,5.6) ; 79.45,5.65 79.4,5.7 ; v1(71.8,5.6) 71.85,5.65 73.45,5.65 v1(73.5,5.6)
  Bottom w0.13: 13.55,1.9 6.55,1.9 5.5,2.95 MH4.1
  Bottom w0.2: 13.55,1.9 13.55,5.1 10.85,5.1 10.85,1.9 ; J1.8 76.45,7.65
  Bottom w0.25: 49.6,21.75 49.45,21.9
  Bottom w0.4: C154.2 54.25,29.35 v2(54,29.1) 54.25,28.85 C149.2 ; C154.2 54.25,30.7 54.15,30.8 ; C154.2 54.2,29.95 54.2,30.8 ; 12.75,32.7 12.7,32.75 v2(12.7,33.4) ; v2(16,33.4) 16,32.75 ; v2(54.4,24.1) 54.75,23.75 C172.2 ; 8.1,41.7 v2(8.1,41) ; v2(18.2,41) 18.2,41.65 ; v2(8,33.4) C252.2 ; v2(47,25.3) 47.2,25.1 C153.2 ; v2(12.8,41) C248.2 ; v2(20.8,33.4) 20.8,32.75 ; 56.5,19.6 v2(56,20.1) ; 36.9,16.85 D17.8 D17.3
  Bottom w0.45: v2(50.4,23.3) 49.7,23.3 ; C167.2 v1(58,23.2) ; 49.6,21.75 v2(49.6,20.9) 49.6,20.24
  Bottom w0.5: v1(57.85,28.5) C145.2 v2(56.2,28.5) ; C57.2 9.35,65.85 v1(9.1,66.1) ; v1(45.1,23.6) C165.2 ; 20.8,32.75 20.85,32.7 ; v1(38.3,45) 38.05,45.25 38.05,45.7 ; C219.2 49.55,51.25 v1(49.3,51) ; C204.2 54.75,41.3 v1(53.95,41.3) ; 52.75,44.2 52.8,44.15 v1(52.8,43.5) ; P1.7 36.9,16.85 ; v1(56.8,18.85) C174.2 56.5,19.6 ; C177.2 61.45,30.5 v1(60.6,30.5) ; 8.5,37.2 v2(7.9,37.2) ; 4.2,39.7 v1(3.6,39.7) ; 54.8,36.5 v1(54.1,36.5) ; v1(52,18.1) C155.2 ; C144.2 45.95,29.15 v1(45.2,29.15) 44.45,29.15 C142.2 44.35,29.15 v1(43.6,29.15) 43.05,29.15 C156.2 42.25,29.25 v1(41.5,29.25) ; v1(46.3,47) 46.05,47.25 C213.2 ; 48.25,36.1 48.45,36.3 v1(49.25,36.3) ; C183.2 60.8,36.4 v1(61.5,36.4) ; v1(46.7,19.6) 45.9,19.6 C176.2 ; v1(55.75,36.5) 56.4,36.5 56.45,36.45 ; v1(25.4,66.1) 25.65,65.85 C49.2 ; 13.55,47.5 v1(12.65,47.5) ; v1(32.99,38.99) 32.99,38.31 ; C212.2 52.8,47.4 v1(52.8,46.6) 52.8,45.85 C215.2 ; v1(55.2,18.1) C150.2 ; 18.2,41.65 18.15,41.7 ; v1(39.3,52) 39.5,52.2 C195.2 ; C175.2 v1(44.9,19.5) ; 56,55.55 56.05,55.5 v1(56.7,55.5) ; 56.75,41 v1(57.65,41) ; 15.85,47.5 v1(16.75,47.5) ; 45.05,36.3 45.15,36.4 v1(45.8,36.4) ; 43.85,52.9 43.75,53 v1(43.3,53) ; C69.2 v1(25.95,75.8) ; v1(43.3,23.6) C163.2 ; 52,51.85 52.05,51.9 v1(52.7,51.9) ; 47.6,29.85 47.65,29.9 ; C146.2 48.05,18.35 ; C152.2 v1(55.8,11.8) ; 44.6,41.74 45.04,41.74 v1(45.3,42) ; v1(42.3,44) 41.95,44 41.75,43.8 ; 49.15,54.7 49.2,54.75 v1(49.2,55.4) ; 58.25,55.5 v1(58.85,55.5) 58.1,55.5 C211.2 ; C220.2 44.3,35.75 44.3,35.7 43.7,35.7 C209.2 43.5,36.3 ; C202.2 41.05,47.75 v1(41.3,48) ; C200.2 58.76,40.99 v1(59.79,40.99) ; v2(20.4,40.8) 20.25,40.95 C246.2 ; v1(58.9,22.45) C166.2 ; C222.2 50.35,36.4 v1(51.15,36.4) ; v1(47.6,30.9) 47.6,31.8 C182.2 ; v1(53.6,18.1) C147.2 ; v1(58.8,30.3) 59.55,30.3 C168.2 ; C207.2 44.55,49.25 v1(44.3,49) ; v1(36.3,40) 36.7,40 37.1,39.6 ; v2(47.6,29.15) 47.6,29.95 C161.2 ; v1(38.3,48) 38.55,47.75 C191.2 ; v1(58.4,18.85) C173.2 ; 52.8,47.6 52.8,48.5 ; v1(59.5,36.4) 58.8,36.4 ; C58.2 v1(14.4,75.8) ; 49.6,20.09 49.5,20.19
  Bottom w0.75: v1(42.1,142.4) GDT1.2 40.95,146.3 40.8,146.45 CH1.2 40.8,146.45 ; CH2.2 15.8,146.45 15.95,146.3 GDT2.2 v1(17.1,142.4)
  vias: v1(7.9,55.1) v1(17.45,120) v1(44.4,35.7) v1(50.13,141.4) v1(52.29,141.4) v1(52.8,48.65) v1(54.25,30.8) v1(62.55,116.98) v1(76.2,37.4)
